# KiCad board FrontEnd_5G.kicad_pcb (continued)
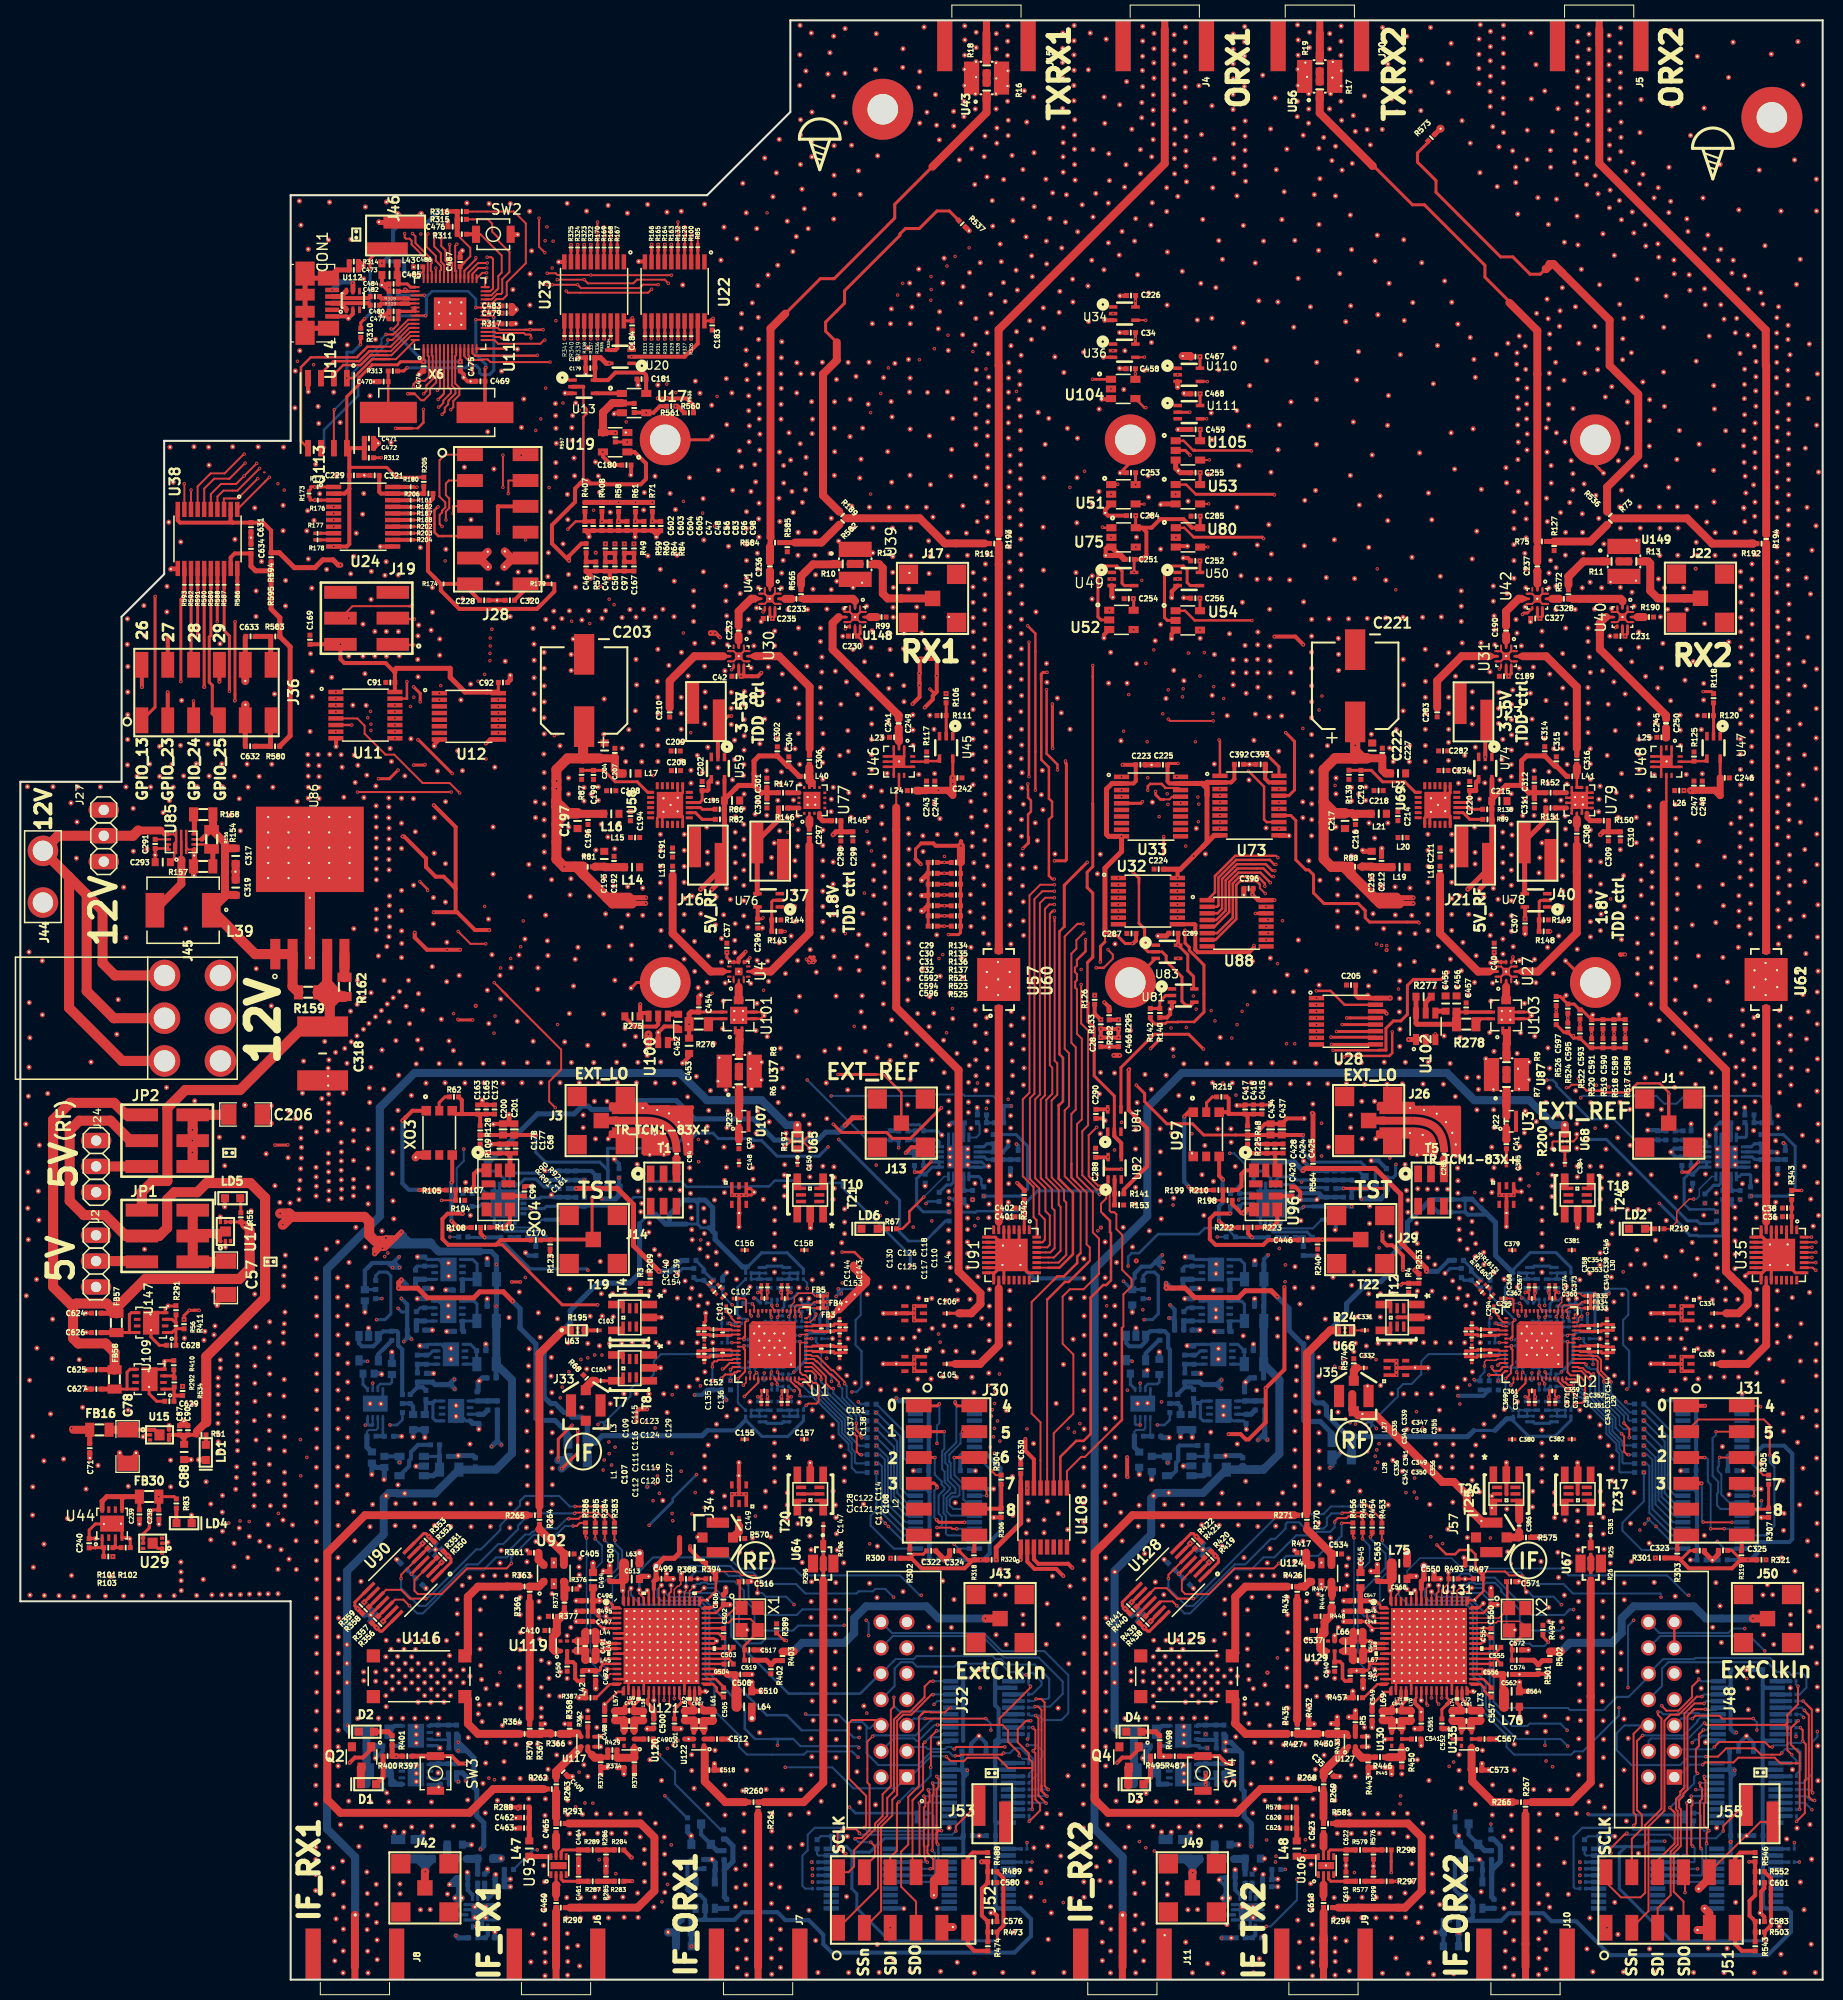
[diagram p0: board, top side]
## Copper pours and planes (outline as drawn; the poured copper is in the pictures) (continued)
Net-(R536-Pad2) on F.RO: 139,180.56 137.68,179.16 139.38,177.45 139.49,177.34 139.73,176.77 139.73,176.6 139.67,175.84 145.5,170.01 146.26,170.07 146.43,170.07 147,169.83 148.82,168.01 148.95,168.14 149.69,168.8 150.14,169.25 150.8,169.25 151.25,168.8 151.8,168.1 151.24,167.54 150.51,168.06 150.47,168.02 149.8,167.28 147.84,167.28 146.26,168.86 145.5,168.91 144.73,169.24 138.9,175.06 138.57,175.84 138.52,176.6 136.94,178.18 136.94,180.14 138.23,181.33

Small or netless copper shapes (teardrops, artwork), in the pictures only: 23 on F.RO

## Text on the board
F.SilkS: EXT_LO | 0 | 1 | 2 | 3 | 6 | 5 | 4 | 7 | 8 | 26 | GPIO_13 | GPIO_23 | 27 | GPIO_24 | 28 | 29 | GPIO_25 | 5V_RF | 3-5V / TDD ctrl | SCLK | 1.8V / TDD ctrl | SSn | SDI | SDO | (RF) | IF | TST | RF | EXT_REF | ExtClkIn | 12V | RX1 | RX2 | IF_RX1 | IF_TX1 | IF_ORX1 | TXRX1 | IF_RX2 | ORX1 | IF_TX2 | TXRX2 | IF_ORX2 | ORX2 | 5V
